# Altium PCB CLP_v1.2_Pcb.PcbDoc
Units mil, origin at the board's own origin, x right, y up, seen from the top; angles counter-clockwise.
Board outline 2801.84 x 3777.78 mil, 2 copper layers (Top Layer, Bottom Layer); 108 components, 87 nets, 457 pads, 36 vias.
Unrouted connection lines stored in the file: 105.
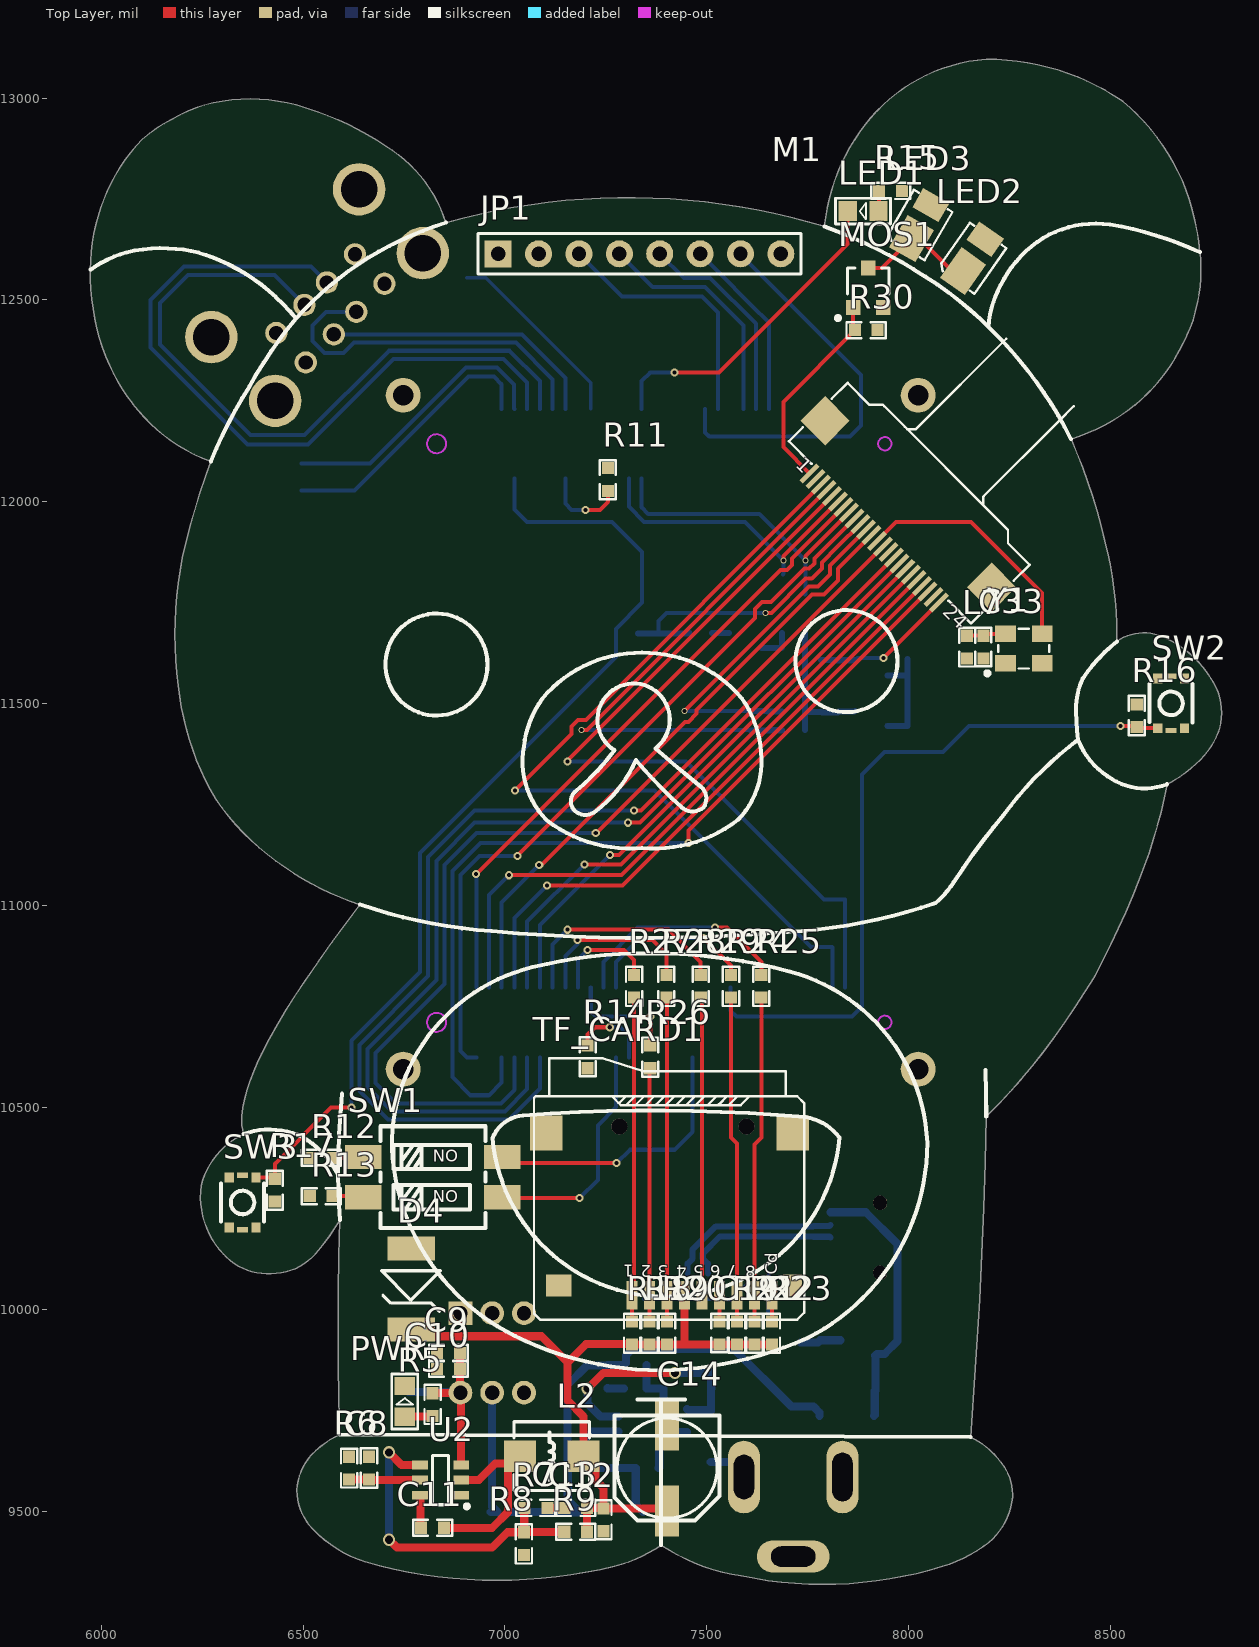
[diagram p0: Top Layer view]
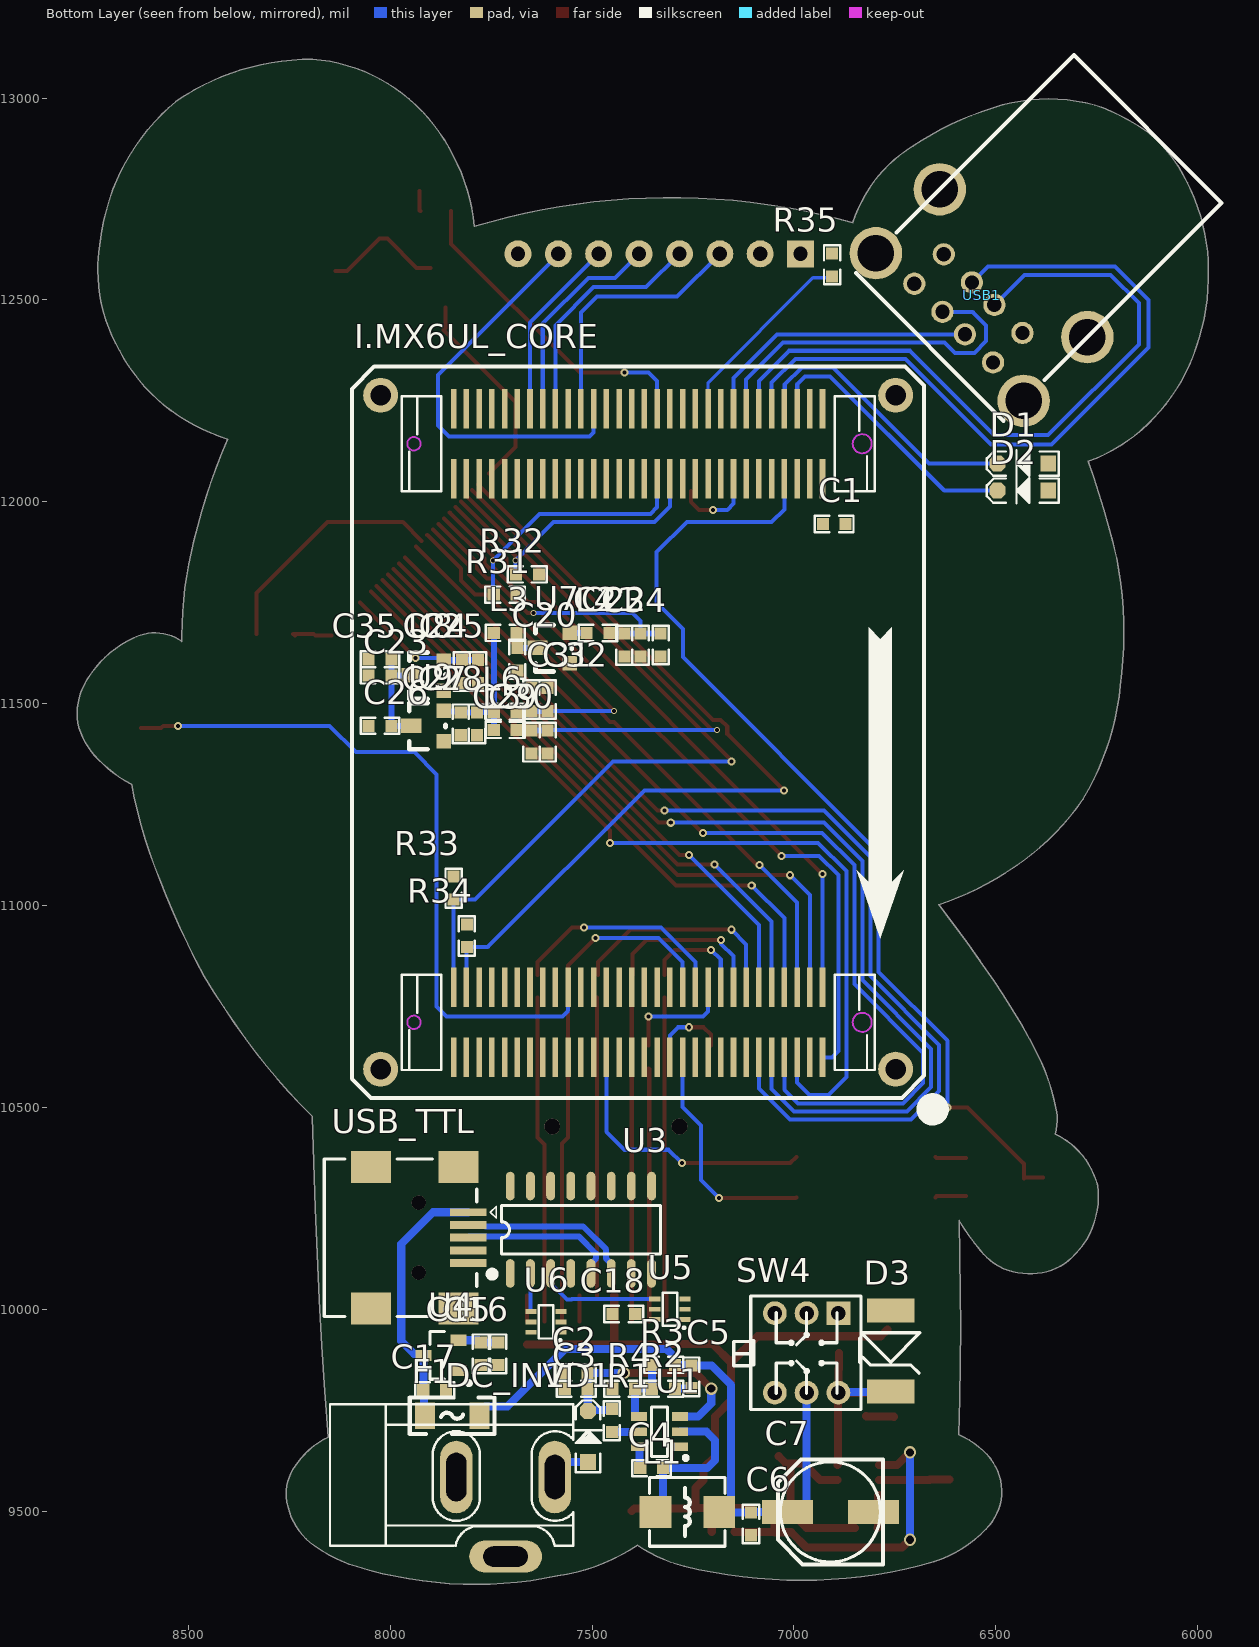
[diagram p1: Bottom Layer view, seen from below]

## Layer stack, top to bottom
Top Solder: solder mask 0.4, Solder Resist, Dk 3.5
Top Layer: signal copper 1.4
Dielectric 1: dielectric 12.6, FR-4, Dk 4.8
Bottom Layer: signal copper 1.4
Bottom Solder: solder mask 0.4, Solder Resist, Dk 3.5

## Board outline
6302.83,10136.46 ccw(c6412.93,10236.72) 6420.94,10088.03 ccw(c6420.93,10235.82) 6538.42,10146.17 ccw(c6420.93,10235.82) 6538.43,10146.18 6538.42,10146.17 ccw(c6108.44,10507.04) 6590.85,10220 ccw(c15551.06,9959.52) 6591.14,9689.47 ccw(c6678.81,9492.09) 6521.67,9640.26 ccw(c6521.87,9640.08) 6521.67,9640.26 ccw(c6626.87,9544.36) 6484.7,9551.42 ccw(c6484.96,9551.4) 6484.7,9551.4 ccw(c6624.28,9552.38) 6523.89,9455.4 ccw(c6752.22,9676.05) 6653.97,9374.11 ccw(c6654.05,9374.36) 6653.98,9374.1 ccw(c6983.28,10543.9) 7271.48,9363.31 ccw(c7271.42,9363.56) 7271.48,9363.31 ccw(c7186.58,9705.46) 7387.18,9415.56 ccw(c7659.01,9828.35) 7585.41,9339.61 ccw(c7659.01,9828.35) 7585.43,9339.61 7585.41,9339.61 ccw(c7789.26,10316.13) 8083.87,9363.05 ccw(c7983.55,9697.38) 8083.88,9363.06 ccw(c7983.55,9697.38) 8198.53,9422.38 ccw(c8198.36,9422.59) 8198.53,9422.39 ccw(c8090.02,9550.71) 8257.32,9534.79 ccw(c8257.05,9534.81) 8257.32,9534.81 8257.32,9534.8 ccw(c8134.27,9541.45) 8257.5,9541.45 ccw(c8134.27,9541.45) 8228.74,9620.56 cw(c8067.63,9503.71) 8228.75,9620.55 8228.74,9620.56 ccw(c8134.27,9541.45) 8228.74,9620.57 8228.74,9620.56 ccw(c8067.63,9503.71) 8153.34,9683.34 ccw(c-6091.55,10782.89) 8192.44,10477.33 ccw(c7124.12,11564.31) 8332.37,10635.35 ccw(c8332.16,10635.51) 8332.37,10635.35 ccw(c6339.8,12125.07) 8460.77,10824.65 ccw(c8460.54,10824.79) 8460.78,10824.67 ccw(c6524.01,11859.19) 8570.91,11064.52 ccw(c7397.96,11539.3) 8640.54,11300.1 ccw(c8504.29,11565.92) 8712.74,11351.98 ccw(c8583.05,11500.69) 8771.17,11441.14 ccw(c8770.91,11441.22) 8771.17,11441.16 ccw(c8623.44,11476.17) 8775.26,11476.17 ccw(c8623.44,11476.17) 8748.76,11561.87 ccw(c8623.44,11476.17) 8748.76,11561.88 8748.76,11561.87 cw(c8527.77,11427.35) 8748.76,11561.87 ccw(c8527.77,11427.35) 8636.88,11661.93 cw(c8582.8,11561.01) 8636.89,11661.93 8636.88,11661.93 ccw(c8527.77,11427.35) 8636.87,11661.93 8636.88,11661.93 ccw(c8582.8,11561.01) 8515.8,11653.85 ccw(c7574.54,11668.38) 8515.92,11668.38 ccw(c7574.54,11668.38) 8486.3,11902.67 ccw(c8486.04,11902.61) 8486.3,11902.67 ccw(c7026.23,11557.13) 8402.23,12155.3 ccw(c8263.77,12605.81) 8559.84,12239.1 ccw(c8559.67,12239.3) 8559.84,12239.1 ccw(c8285.11,12575.84) 8670.23,12374.46 ccw(c8328.11,12573.86) 8724.1,12573.86 ccw(c8328.11,12573.86) 8721.61,12618.17 ccw(c8328.11,12573.86) 8721.61,12618.18 cw(c8721.35,12618.15) 8721.61,12618.15 8721.61,12618.17 ccw(c8073.32,12553.89) 8686.65,12773.54 ccw(c8686.4,12773.45) 8686.64,12773.54 ccw(c8186.8,12580.92) 8530.71,12991.61 ccw(c8530.54,12991.41) 8530.69,12991.63 ccw(c8192.21,12496.92) 8192.21,13096.34 ccw(c8192.21,13096.08) 8192.19,13096.34 ccw(c8224.94,12677.79) 7892.53,12934.23 ccw(c8288.04,12628.71) 7791.13,12682.05 ccw(c7306.06,11067.88) 6853.84,12691.56 ccw(c6527.01,12587.7) 6705.89,12880.29 ccw(c6527.01,12587.7) 6705.88,12880.3 6705.89,12880.29 ccw(c6278.76,12245.04) 6483,12982.78 ccw(c6482.93,12982.53) 6483,12982.78 ccw(c6369.27,12553.07) 6255.2,12982.69 ccw(c6255.26,12982.44) 6255.19,12982.69 ccw(c6255.26,12982.44) 6255.18,12982.69 ccw(c6400.53,12538.04) 6102.47,12898.6 6102.45,12898.58 ccw(c6416.65,12592.4) 5999.5,12728.22 ccw(c6428.59,12576.46) 5973.45,12575.18 ccw(c5973.71,12575.17) 5973.45,12575.18 ccw(c5973.71,12575.17) 5973.45,12575.16 5973.45,12575.18 ccw(c6528.71,12562.4) 6020.85,12337.57 ccw(c6021.09,12337.67) 6020.85,12337.56 ccw(c6449.06,12530.99) 6122.18,12193.46 6122.18,12193.45 ccw(c6411.74,12488.85) 6271.22,12099.8 ccw(c8184.48,11406.56) 6200.89,11861.01 ccw(c6201.15,11860.95) 6200.89,11861 ccw(c7153.11,11674.22) 6191.43,11544.71 ccw(c6860.71,11609.08) 6283.81,11263.72 ccw(c6284.04,11263.85) 6283.82,11263.71 ccw(c6794.56,11610.49) 6455.13,11094.84 ccw(c6854.84,11665.68) 6641.14,11002.38 ccw(c10033.33,8411.62) 6505.24,10814.04 ccw(c7748.21,9950.87) 6396.6,10631.45 ccw(c6861.08,10397.28) 6351.02,10499.35 ccw(c6487.41,10469.72) 6352.52,10433.88 ccw(c6437.88,10256.61) 6247.6,10306.68 ccw(c6247.86,10306.62) 6247.6,10306.65 ccw(c6453.36,10279.37)
cut-out: -5219.49,-2121.06

## Design rules (kind name [scope] priority, off if disabled: settings)
Clearance [All] p1: gap=8 ignorepadtopadclearanceinfootprint=FALSE except(0: Arc-Hole Track-Hole SMDPad-Hole THPad-Hole Via-Hole Fill-Hole Poly-Hole Region-Hole Text-Hole)
ComponentClearance [InComponent('No Component') vs InComponent('No Component')] p1: gap=10 collisioncheckmode=3 verticalgap=10 showdistances=FALSE
PolygonConnect [All] p1: connectstyle=Relief reliefconductorwidth=10 reliefentries=4 polygonreliefangle="90 Angle" airgapwidth=10
RoutingVias [All] p1: holewidth=10 width=20 viastyle="Through Hole" minholewidth=8 minwidth=15 maxholewidth=20 maxwidth=50
SolderMaskExpansion [All] p1: expansion=4 istentingtop=FALSE
Width [All] p1: maxlimit=20 minlimit=8 preferedwidth=10
29 further rules are at their usual default settings.

## Classes and differential pairs
component class CLP_v1.2_Sch: C1 C2 C3 C4 C5 C6 C7 C8 C9 C10 C11 C12 C13 C14 C15 C16 C17 C18 D1 D2 D3 D4 DC_IN1 F1 I.MX6UL_CORE L1 L2 PWR R1 R2 R3 R4 R5 R6 R7 R8 R9 R24 R25 R26 R27 R28 R29 R35 SW4 U1 U2 U3 U4 U5 U6 USB1 USB_TTL VD1
component class CLP_v1.2_Sch1: C19 C20 C21 C22 C23 C24 C25 C26 C27 C28 C29 C30 C31 C32 C33 C34 C35 JP1 L3 L4 L5 L6 L7 LED1 LED2 LED3 M1 MOS1 R11 R12 R13 R14 R15 R16 R17 R18 R19 R20 R21 R22 R23 R30 R31 R32 R33 R34 SW1 SW2 SW3 TF_CARD1 U7 U8 U9 Y1

## Components (designator, comment, footprint, x,y, rotation, side; value= is the part's Value field where it differs from the comment)
C1 "104" "C 0603" 6900,11945 r180 bottom
C2 "47uF/25V" "C 0603" 7539.37,9842.52 r0 bottom
C3 "104" "C 0603" 7539.37,9803.15 r0 bottom
C4 "104" "C 0603" 7352.36,9606.3 r180 bottom
C5 "101" "C 0603" 7253.94,9832.68 r90 bottom
C6 "104" "C 0603" 7106.3,9468.5 r90 bottom
C7 "470uF" "CM D(6.3*5.4)" 6909.45,9498.03 r0 bottom
C8 "104" "C 0603" 6614.17,9606.3 r270 top
C9 "10uF" "C 0603" 6860.24,9891.73 r0 top
C10 "104" "C 0603" 6860.24,9852.36 r0 top
C11 "104" "C 0603" 6820.87,9458.66 r180 top
C12 "104" "C 0603" 7244.09,9478.35 r270 top
C13 "101" "C 0603" 7175.2,9507.87 r180 top
C14 "470uF" "CM D(6.3*5.4)" 7401.57,9606.3 r270 top
C15 "104" "C 0603" 7775.59,9889.76 r90 bottom
C16 "10uF" "C 0603" 7732.28,9889.76 r90 bottom
C17 "10uF" "C 0603" 7889.76,9799.21 r0 bottom
C18 "104" "C 0603" 7421.26,9988.19 r180 bottom
C19 "104" "C 0603" 7531.5,9940.94 r270 top
C20 "1uF" "C 0603" 7685,11610 r90 bottom
C21 "10uF" "C 0603" 7420,11645 r90 bottom
C22 "104" "C 0603" 7380,11645 r90 bottom
C23 "1uF" "C 0603" 8025,11570 r180 bottom
C24 "10uF" "C 0603" 7822.47,11579.75 r90 bottom
C25 "104" "C 0603" 7782.47,11579.75 r90 bottom
C26 "1uF" "C 0603" 8025,11445 r180 bottom
C27 "10uF" "C 0603" 7825,11450 r90 bottom
C28 "104" "C 0603" 7785,11450 r90 bottom
C29 "10uF" "C 0603" 7650,11405 r90 bottom
C30 "104" "C 0603" 7610,11405 r90 bottom
C31 "10uF" "C 0603" 7650,11510 r270 bottom
C32 "104" "C 0603" 7610,11510 r270 bottom
C33 "104" "C 0603" 8185,11640 r270 top
C34 "1uF" "C 0603" 7330,11645 r270 bottom
C35 "104" "C 0603" 8025,11610 r180 bottom
D1 "MBR0520" SOD-123F 6433.07,12094.49 r0 bottom
D2 "MBR0520" SOD-123F 6433.07,12027.56 r0 bottom
D3 "SMBJ5.0A" SMBJ 6759.84,9901.57 r270 bottom
D4 "SMBJ3.3A" SMBJ 6767.72,10055.12 r270 top
DC_IN1 "POWER" DC10B 8011.13,9414.35 r180 bottom locked
F1 "2A" "FU 1206" 7846.46,9736.22 r0 bottom
I.MX6UL_CORE "I.MX6UL_CORE" I.MX6UL_CORE 7385.83,11429.13 r0 bottom locked
JP1 "HDR-1X8" HDR-1X8_M 6983.46,12614.17 r0 top locked
L1 "4.7uH" L-SMD-0420 7263.78,9498.03 r180 bottom
L2 "4.7uH" L-SMD-0420 7116.14,9635.83 r0 top
L3 "3.3uH" "L 0603" 7715,11675 r0 bottom
L4 "FB-600R" "L 0603" 7485,11675 r180 bottom
L5 "3.3uH" "L 0603" 7715,11435 r180 bottom
L6 "3.3uH" "L 0603" 7715,11480 r180 bottom
L7 "3.3uH" "L 0603" 8145,11640 r270 top
LED1 "RED" "LED 0805R" 7885,12720 r180 top
LED2 "LED" SMDLED-3528 8134.94,12571.36 r55 top
LED3 "LED" SMDLED-3528 8007,12651.86 r60 top
M1 "0V5640-A-170" OV5640 7754.96,12070.29 r315 top locked
MOS1 "SI2302" SO-G3/C2.5 7900,12530 r0 top
PWR "BLUE" "LED 0805R" 6751.97,9773.62 r90 top
R1 "100K" "R 0603" 7450.79,9724.41 r270 bottom
R2 "1K" "R 0603" 7322.83,9803.15 r180 bottom
R3 "84.5K 1%" "R 0603" 7322.83,9862.2 r180 bottom
R4 "15k 1%" "R 0603" 7421.26,9803.15 r180 bottom
R5 "1K" "R 0603" 6820.87,9763.78 r90 top
R6 "1K" "R 0603" 6663.39,9606.3 r90 top
R7 "1K" "R 0603" 7076.77,9507.87 r180 top
R8 "15K 1%" "R 0603" 7047.24,9419.29 r270 top
R9 "49.9K 1%" "R 0603" 7175.2,9448.82 r0 top
R11 "10K" "R 0603" 7255,12055 r270 top
R12 "4.7K" "R 0603" 6545,10375 r0 top
R13 "4.7K" "R 0603" 6545,10280 r0 top
R14 "4.7K" "R 0603" 7205,10625 r90 top
R15 "510R" "R 0603" 7955,12770 r0 top
R16 "10K" "R 0603" 8565,11470 r90 top
R17 "10K" "R 0603" 6430,10295 r270 top
R18 "47K" "R 0603" 7314.96,9940.94 r270 top
R19 "47K" "R 0603" 7358.27,9940.94 r270 top
R20 "47K" "R 0603" 7401.57,9940.94 r270 top
R21 "47K" "R 0603" 7574.8,9940.94 r270 top
R22 "47K" "R 0603" 7618.11,9940.94 r270 top
R23 "47K" "R 0603" 7661.42,9940.94 r270 top
R24 "100R" "R 0603" 7560,10800 r270 top
R25 "100R" "R 0603" 7635,10800 r270 top
R26 "100R" "R 0603" 7360,10625 r270 top
R27 "100R" "R 0603" 7320,10800 r270 top
R28 "100R" "R 0603" 7400,10800 r270 top
R29 "100R" "R 0603" 7485,10800 r270 top
R30 "10K" "R 0603" 7895,12425 r180 top
R31 "10K" "R 0603" 7715,11770 r0 bottom
R32 "10K" "R 0603" 7660,11820 r0 bottom
R33 "4.7K" "R 0603" 7842.88,11043.23 r270 bottom
R34 "4.7K" "R 0603" 7810,10925 r270 bottom
R35 "1K" "R 0603" 6905.51,12586.61 r90 bottom
SW1 "DM-02-V" SMD_KEY 6825,10330 r270 top
SW2 "TBEG-W-Q-T/R" SW 8650,11500 r90 top
SW3 "TBEG-W-Q-T/R" SW 6350,10265 r270 top
SW4 "KET 7X7" "KFT DIP-7X7" 6968.5,9891.73 r270 bottom
TF_CARD1 "Micro SD" "Micro SD" 7712.6,10437.01 r180 top locked
U1 "DC JW5060T_6" SOT23-6N 7332.8,9696.65 r180 bottom
U2 "DC JW5060T_6" SOT23-6N 6840.55,9576.77 r0 top
U3 "CH340C" SOP16_N 7527.56,10196.85 r90 bottom
U4 "XC6206" SOT23-3N 7874.02,9885.83 r90 bottom
U5 "SGM3157" SOT363-6L 7307.09,10000 r0 bottom
U6 "SGM3157" SOT363-6L 7614.17,9968.5 r0 bottom
U7 "XC6206P152MR" SOT-23 7555,11600 r180 bottom
U8 "XC6206P282MR" SOT-23 7867.47,11531.75 r180 bottom
U9 "XC6206P282MR" SOT-23 7867.53,11406.91 r180 bottom
USB1 "KH-2AF90DIP-1715" USB_HOST 6439.9,12328.39 r45 bottom locked
USB_TTL "USB-5P" USB-MINI-A 7929.13,10177.17 r270 bottom locked
VD1 "SS34" SOD-123F 7509.84,9685.04 r90 bottom
Y1 "24.000Mhz" XTAL3225 8240,11600 r0 top

## Footprints (in the part's own frame and the unit in brackets; to place one, negate y for a bottom-side part, rotate by r counter-clockwise, add the part's x,y. Pads: shape width x height; smd on the part's side, far side on the other; paste and mask are expansions set on the pad)
"C 0603" [mil]
  rect 30x30 smd: 1(-28.25,0) 2(28.25,0)
  silkscreen extent -48,-20 48,20, body extent -31,-16 31,16, height 32
"CM D(6.3*5.4)" [mm]
  rect 3.2x1.5 smd: 1(2.7,0) 2(-2.7,0)
  silkscreen extent -3.3,-3.3 3.3,3.3, body extent -3.5,-3.3 3.5,3.3, height 5.4
DC10B [mil]
  oval 80x180 hole 50 slot 110 at 90 deg: 1(419.09,170)
  oval 80x180 hole 50 slot 120 at 90 deg: 2(175,170)
  oval 180x80 hole 50 slot 110 at 0 deg: 3(297.05,-26.85)
  silkscreen extent -138,0 465,350, body extent -131,-18 422,348, height 441
"FU 1206" [mil]
  rect 50x65 smd: 1(-67.5,0) 2(67.5,0)
  silkscreen extent -105,-45 105,45, body extent -63,-32 63,32, height 34
HDR-1X8_M [mm] "排母，8脚"
  rect 1.7x1.7 hole 0.9: 1(0,0)
  round 1.7 hole 0.9: 2(2.54,0) 3(5.08,0) 4(7.62,0) 5(10.16,0) 6(12.7,0) 7(15.24,0) 8(17.78,0)
  silkscreen extent -1.27,-1.27 19.05,1.27, body extent -1.27,-1.27 19.05,1.27, height 8.5
I.MX6UL_CORE [mm]
  round 2.2 hole 1.3: 0(-16.2,-21.2) 0(-16.2,21.2) 0(16.2,-21.2) 0(16.2,21.2)
  rect 0.35x2.5 smd: J1_1(-11.6,20.45) J1_2(-10.8,20.45) J1_3(-10,20.45) J1_4(-9.2,20.45) J1_5(-8.4,20.45) J1_6(-7.6,20.45) J1_7(-6.8,20.45) J1_8(-6,20.45) J1_9(-5.2,20.45) J1_10(-4.4,20.45) J1_11(-3.6,20.45) J1_12(-2.8,20.45) J1_13(-2,20.45) J1_14(-1.2,20.45) J1_15(-0.4,20.45) J1_16(0.4,20.45) J1_17(1.2,20.45) J1_18(2,20.45) J1_19(2.8,20.45) J1_20(3.6,20.45) J1_21(4.4,20.45) J1_22(5.2,20.45) J1_23(6,20.45) J1_24(6.8,20.45) J1_25(7.6,20.45) J1_26(8.4,20.45) J1_27(9.2,20.45) J1_28(10,20.45) J1_29(10.8,20.45) J1_30(11.6,20.45) J1_31(11.6,16.05) J1_32(10.8,16.05) J1_33(10,16.05) J1_34(9.2,16.05) J1_35(8.4,16.05) J1_36(7.6,16.05) J1_37(6.8,16.05) J1_38(6,16.05) J1_39(5.2,16.05) J1_40(4.4,16.05) J1_41(3.6,16.05) J1_42(2.8,16.05) J1_43(2,16.05) J1_44(1.2,16.05) J1_45(0.4,16.05) J1_46(-0.4,16.05) J1_47(-1.2,16.05) J1_48(-2,16.05) J1_49(-2.8,16.05) J1_50(-3.6,16.05) J1_51(-4.4,16.05) J1_52(-5.2,16.05) J1_53(-6,16.05) J1_54(-6.8,16.05) J1_55(-7.6,16.05) J1_56(-8.4,16.05) J1_57(-9.2,16.05) J1_58(-10,16.05) J1_59(-10.8,16.05) J1_60(-11.6,16.05) J2_1(-11.6,-15.95) J2_2(-10.8,-15.95) J2_3(-10,-15.95) J2_4(-9.2,-15.95) J2_5(-8.4,-15.95) J2_6(-7.6,-15.95) J2_7(-6.8,-15.95) J2_8(-6,-15.95) J2_9(-5.2,-15.95) J2_10(-4.4,-15.95) J2_11(-3.6,-15.95) J2_12(-2.8,-15.95) J2_13(-2,-15.95) J2_14(-1.2,-15.95) J2_15(-0.4,-15.95) J2_16(0.4,-15.95) J2_17(1.2,-15.95) J2_18(2,-15.95) J2_19(2.8,-15.95) J2_20(3.6,-15.95) J2_21(4.4,-15.95) J2_22(5.2,-15.95) J2_23(6,-15.95) J2_24(6.8,-15.95) J2_25(7.6,-15.95) J2_26(8.4,-15.95) J2_27(9.2,-15.95) J2_28(10,-15.95) J2_29(10.8,-15.95) J2_30(11.6,-15.95) J2_31(11.6,-20.35) J2_32(10.8,-20.35) J2_33(10,-20.35) J2_34(9.2,-20.35) J2_35(8.4,-20.35) J2_36(7.6,-20.35) J2_37(6.8,-20.35) J2_38(6,-20.35) J2_39(5.2,-20.35) J2_40(4.4,-20.35) J2_41(3.6,-20.35) J2_42(2.8,-20.35) J2_43(2,-20.35) J2_44(1.2,-20.35) J2_45(0.4,-20.35) J2_46(-0.4,-20.35) J2_47(-1.2,-20.35) J2_48(-2,-20.35) J2_49(-2.8,-20.35) J2_50(-3.6,-20.35) J2_51(-4.4,-20.35) J2_52(-5.2,-20.35) J2_53(-6,-20.35) J2_54(-6.8,-20.35) J2_55(-7.6,-20.35) J2_56(-8.4,-20.35) J2_57(-9.2,-20.35) J2_58(-10,-20.35) J2_59(-10.8,-20.35) J2_60(-11.6,-20.35)
  Keep-Out Layer circle w0.127: c14.1,-18.15 r0.42
  Keep-Out Layer circle w0.127: c-14.1,-18.15 r0.6
  Keep-Out Layer circle w0.127: c-14.1,18.25 r0.6
  Keep-Out Layer circle w0.127: c14.1,18.25 r0.42
  silkscreen extent -19.04,-23 18,24.23
"KFT DIP-7X7" [mm] "自锁开关，规格：7*7mm"
  rect 1.5x1.5 hole 0.9: 1(-2.5,2)
  round 1.5 hole 0.9: 2(-2.5,0) 3(-2.5,-2) 4(2.5,-2) 5(2.5,0) 6(2.5,2)
  silkscreen extent -3.58,-4.58 3.56,3.42, body extent -3.5,-3.5 3.5,3.5, height 11.2
"L 0603" [mil]
  rect 30x30 smd mask+2: 1(-28.25,0) 2(28.25,0)
  silkscreen extent -48,-20 48,20, body extent -32,-16 31,16, height 31
L-SMD-0420 [mm]
  rect 2x2 smd: 1(-2,0) 2(2,0)
  silkscreen extent -2.39,-2.16 2.36,2.17, body extent -2.26,-2.06 2.24,2.04, height 1.91
"LED 0805R" [mil]
  rect 45x50 smd: 1(-40,0) 2(36.01,0)
  silkscreen extent -70,-32 66,32, body extent -39,-25 39,25, height 32
"Micro SD" [mm]
  rect 2.032x2.2 smd: 0(0,0) 0(15.5,0)
  rect 1.2x1.4 smd: 0(0,9.6)
  round 1 hole 1 unplated: 0(2.9,-0.4) 0(10.9,-0.4)
  rect 1.6x1.4 smd: 0(14.7,9.6)
  rect 0.7x1.8 smd: 1(10.1,10.227) 2(9,10.227) 3(7.9,10.227) 4(6.8,10.227) 5(5.7,10.227) 6(4.6,10.227) 7(3.5,10.227) 8(2.4,10.227) 9(1.3,10.227)
  silkscreen extent -0.72,-4.68 16.27,11.75, body extent -0.27,-4.63 16,10.57, height 1.8
OV5640 [mm]
  rect 0.3x1.5 smd: 1(0,0) 2(0.5,0) 3(1,0) 4(1.5,0) 5(2,0) 6(2.5,0) 7(3,0) 8(3.5,0) 9(4,0) 10(4.5,0) 11(5,0) 12(5.5,0) 13(6,0) 14(6.5,0) 15(7,0) 16(7.5,0) 17(8,0) 18(8.5,0) 19(9,0) 20(9.5,0) 21(10,0) 22(10.5,0) 23(11,0) 24(11.5,0)
  rect 2.2x2.2 smd: 25(13.151,3.023) 26(-1.657,3.023)
  round 1.2 on Top Overlay: 27(2.032,23.114) 27(2.032,15.621) 27(9.525,15.621) 27(9.525,23.114)
  rect 9x9 on Top Overlay: 27(5.753,19.317)
  silkscreen extent -2.36,0.51 13.85,14.73
"R 0603" [mil]
  rect 30x30 smd: 1(-28.25,0) 2(28.25,0)
  silkscreen extent -48,-20 49,20, body extent -32,-16 31,16, height 16
SMBJ [mm]
  rect 1.5x3 smd: 1(-2.413,0) 2(2.667,0)
  silkscreen extent -1.02,-1.85 1.52,1.83
SMD_KEY [mil] "boot && led_key"
  rect 60x90 smd: 1(-47.2,-175.75) 2(52.8,-175.75) 3(52.8,168.74) 4(-47.2,168.74)
  silkscreen extent -123,-133 129,126
SMDLED-3528 [mm]
  rect 1.4x1.9 smd: 1(2.438,0)
  rect 2.35x1.9 smd: 2(0,0)
  silkscreen extent -0.76,-1.4 2.74,1.4
SO-G3/C2.5 [mm]
  rect 0.9x0.95 smd: 1(-0.95,-1.25) 2(0.95,-1.25) 3(0,1.25)
  silkscreen extent -2.03,-2.03 1.3,1.25
SOD-123F [mm]
  rect 1x1 smd: 1(-1.6,0)
  oct 1x1 smd: 2(1.6,0)
  silkscreen extent -2.26,-0.84 2.26,0.81, body extent -1.9,-0.8 1.9,0.8, height 1.15
SOP16_N [mm]
  oval 1.8x0.55 smd: 1(-2.75,4.445) 2(-2.75,3.175) 3(-2.75,1.905) 4(-2.75,0.635) 5(-2.75,-0.635) 6(-2.75,-1.905) 7(-2.75,-3.175) 8(-2.75,-4.445) 9(2.75,-4.445) 10(2.75,-3.175) 11(2.75,-1.905) 12(2.75,-0.635) 13(2.75,0.635) 14(2.75,1.905) 15(2.75,3.175) 16(2.75,4.445)
  silkscreen extent -2.95,-5 1.52,5.74, body extent -3,-5 3,5, height 1.9
SOT23-3N [mm]
  rect 0.7x1 smd: 1(-0.95,-1.1) 2(0.95,-1.1) 3(0,1.1)
  silkscreen extent -1.88,-1.88 1.5,0.7, body extent -1.5,-1.2 1.5,1.2, height 1.05
SOT23-6N [mm]
  rect 1x0.55 smd: 1(1.3,-0.95) 2(1.3,0) 3(1.3,0.95) 4(-1.3,0.95) 5(-1.3,0) 6(-1.3,-0.95)
  silkscreen extent -0.51,-1.78 1.78,1.55, body extent -1.4,-1.5 1.4,1.5, height 1.15
SOT363-6L [mm]
  rect 0.7x0.3 smd: 1(-0.95,0.65) 2(-0.95,0) 3(-0.95,-0.65) 4(0.95,-0.65) 5(0.95,0) 6(0.95,0.65)
  silkscreen extent -0.96,-1.04 0.46,1.24, body extent -1.05,-1 1.05,1, height 1
SOT-23 [mil]
  rect 36x36 smd: 1(0,0) 2(0,75)
  rect 50x36 smd: 3(-80,38)
  silkscreen extent -85,-20 5,95